# KiCad board noraneko52r.kicad_pcb
date: 2022-12-29
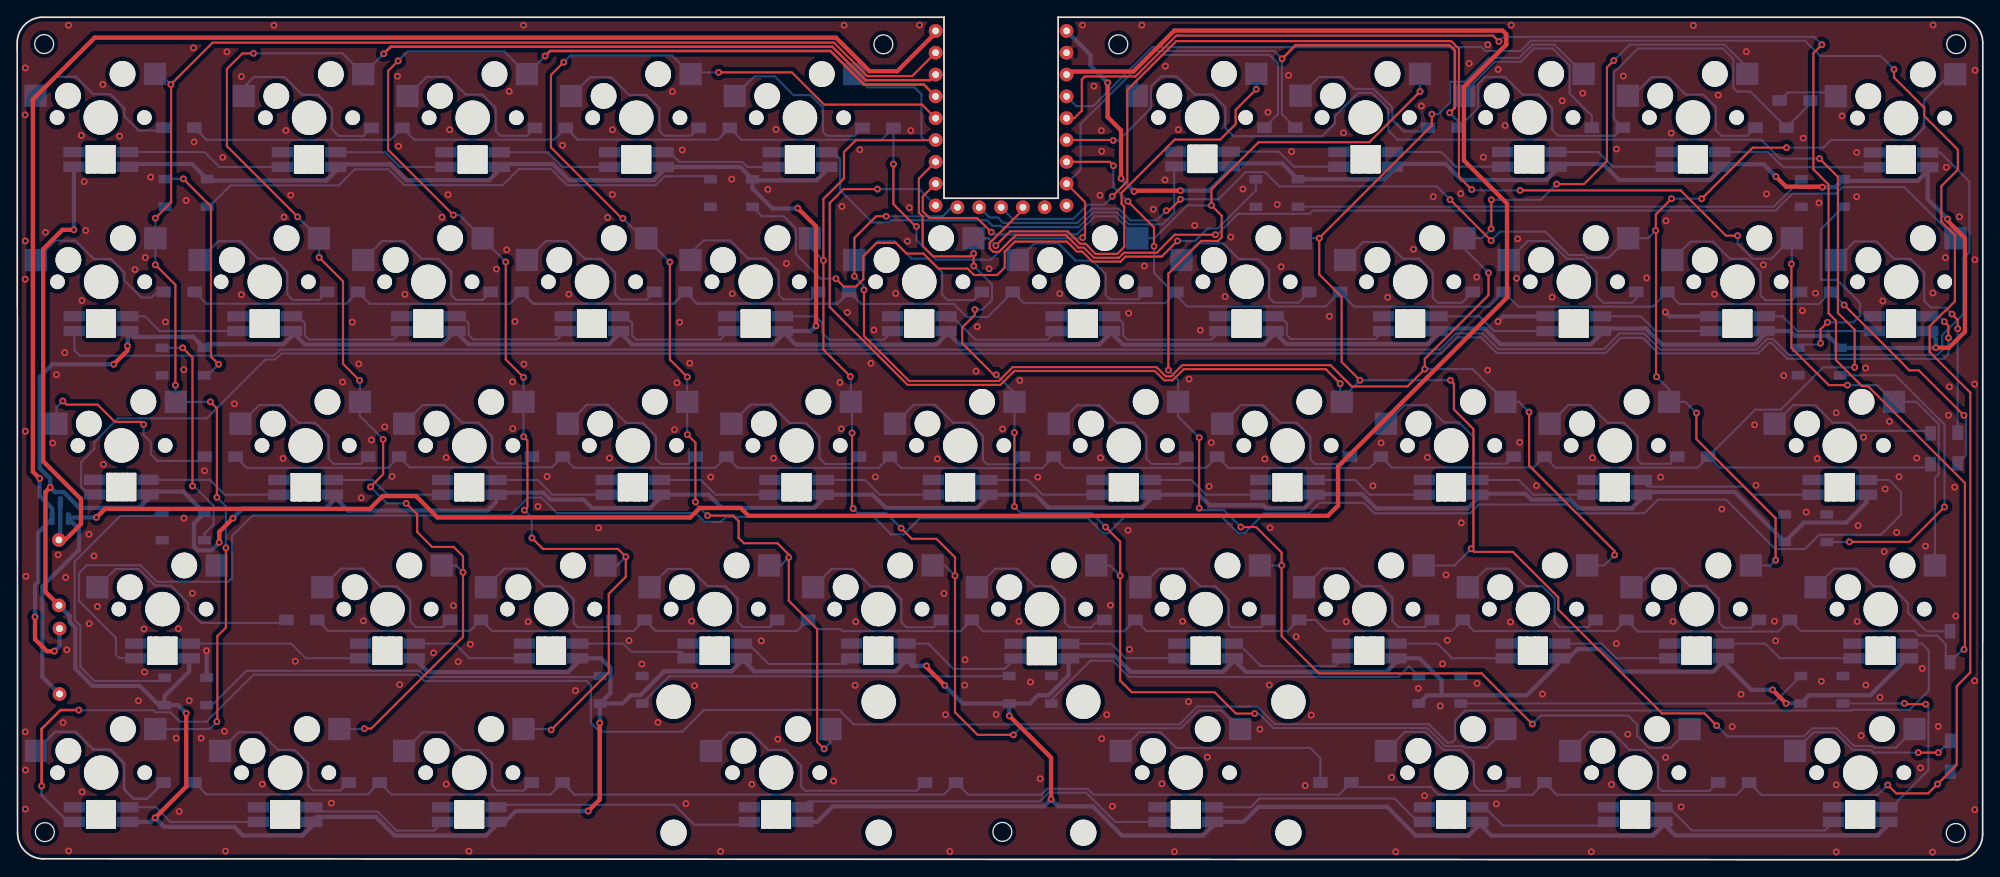
[diagram p0: board, top side]
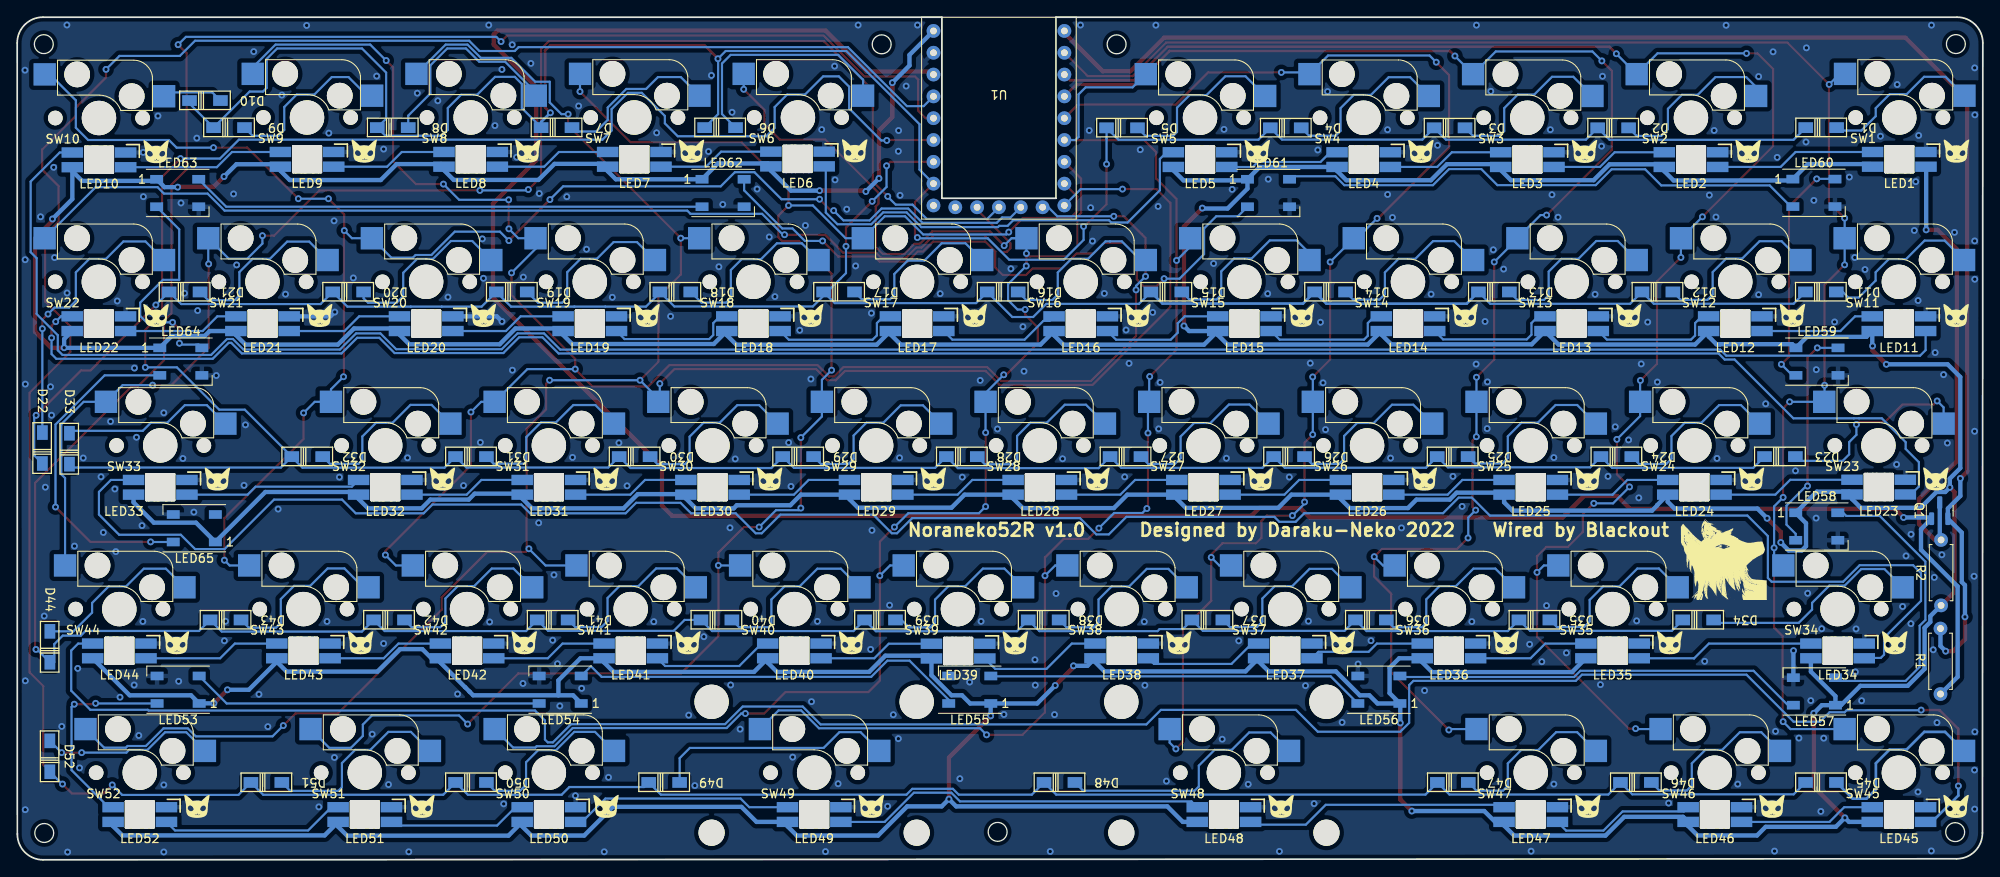
[diagram p1: board, bottom side, seen from below]

Outline 228.83 x 98.1 mm; copper layers: Top, Bottom. Coordinates in mm from the lower left corner of the outline.
Outline path: circle c3.14,94.97 r1.1 ; circle c3.22,3.22 r1.1 ; circle c100.84,94.94 r1.1 ; circle c114.69,3.25 r1.1 ; circle c128.19,94.94 r1.1 ; circle c225.68,3.12 r1.1 ; circle c225.73,94.96 r1.1 ; 0,95.1 0.05,3.12 arc(0.92,1) 3.05,0.12 225.81,0 arc(227.93,0.88) 228.81,3 228.83,95.1 arc(227.95,97.23) 225.83,98.1 121.18,98.1 121.18,77.02 107.9,77.02 107.9,98.1 3,98.1 arc(0.88,97.23) 0,95.1
Stack: Top 0.035mm / dielectric 1.51mm FR4 er 4.5 / Bottom 0.035mm

## Placement (name value [footprint] x y rotation side)
D1  D  [1N4148W]  18.82 85.24 180 bottom
D2  D  [1N4148W]  43.04 85.22 180 bottom
D3  D  [1N4148W]  62.08 85.22 180 bottom
D4  D  [1N4148W]  81.15 85.22 180 bottom
D5  D  [1N4148W]  100.21 85.22 180 bottom
D6  D  [1N4148W]  147 85.25 180 bottom
D7  D  [1N4148W]  166.04 85.25 180 bottom
D8  D  [1N4148W]  185.11 85.25 180 bottom
D9  D  [1N4148W]  204.17 85.25 180 bottom
D10  D  [1N4148W]  206.97 88.4 180 bottom
D11  D  [1N4148W]  18.86 66.11 180 bottom
D12  D  [1N4148W]  37.88 66.11 180 bottom
D13  D  [1N4148W]  56.92 66.11 180 bottom
D14  D  [1N4148W]  75.99 66.11 180 bottom
D15  D  [1N4148W]  95.05 66.11 180 bottom
D16  D  [1N4148W]  114.1 66.11 180 bottom
D17  D  [1N4148W]  133.15 66.11 180 bottom
D18  D  [1N4148W]  152.21 66.11 180 bottom
D19  D  [1N4148W]  171.25 66.11 180 bottom
D20  D  [1N4148W]  190.3 66.11 180 bottom
D21  D  [1N4148W]  209.34 66.11 180 bottom
D22  D  [1N4148W]  225.9 47.94 90 bottom
D23  D  [1N4148W]  23.62 46.94 180 bottom
D24  D  [1N4148W]  42.66 46.94 180 bottom
D25  D  [1N4148W]  61.72 46.94 180 bottom
D26  D  [1N4148W]  80.76 46.94 180 bottom
D27  D  [1N4148W]  99.8 46.94 180 bottom
D28  D  [1N4148W]  118.86 46.94 180 bottom
D29  D  [1N4148W]  137.91 46.94 180 bottom
D30  D  [1N4148W]  156.95 46.94 180 bottom
D31  D  [1N4148W]  176 46.94 180 bottom
D32  D  [1N4148W]  195.06 46.94 180 bottom
D33  D  [1N4148W]  222.74 47.86 90 bottom
D34  D  [1N4148W]  33.14 27.93 180 bottom
D35  D  [1N4148W]  52.2 27.93 180 bottom
D36  D  [1N4148W]  71.24 27.93 180 bottom
D37  D  [1N4148W]  90.27 27.93 180 bottom
D38  D  [1N4148W]  109.33 27.93 180 bottom
D39  D  [1N4148W]  128.38 27.93 180 bottom
D40  D  [1N4148W]  147.43 27.93 180 bottom
D41  D  [1N4148W]  166.49 27.93 180 bottom
D42  D  [1N4148W]  185.54 27.93 180 bottom
D43  D  [1N4148W]  204.57 27.93 180 bottom
D44  D  [1N4148W]  225.02 24.8 90 bottom
D45  D  [1N4148W]  18.84 9.01 180 bottom
D46  D  [1N4148W]  40.39 9.01 180 bottom
D47  D  [1N4148W]  61.7 9.01 180 bottom
D48  D  [1N4148W]  107.49 9.01 180 bottom
D49  D  [1N4148W]  153.51 9.01 180 bottom
D50  D  [1N4148W]  176 9.01 180 bottom
D51  D  [1N4148W]  199.82 9.01 180 bottom
D52  D  [1N4148W]  225.03 12.05 90 bottom
LED1  -  [SK6812MINI-E]  9.73 81.56 0 bottom
LED2  -  [SK6812MINI-E]  33.98 81.54 0 bottom
LED3  -  [SK6812MINI-E]  53.03 81.54 0 bottom
LED4  -  [SK6812MINI-E]  72.08 81.54 0 bottom
LED5  -  [SK6812MINI-E]  91.13 81.54 0 bottom
LED6  -  [SK6812MINI-E]  137.99 81.6 0 bottom
LED7  -  [SK6812MINI-E]  156.99 81.57 0 bottom
LED8  -  [SK6812MINI-E]  176.04 81.57 0 bottom
LED9  -  [SK6812MINI-E]  195.09 81.57 0 bottom
LED10  -  [SK6812MINI-E]  219.31 81.51 0 bottom
LED11  -  [SK6812MINI-E]  9.77 62.43 0 bottom
LED12  -  [SK6812MINI-E]  28.82 62.43 0 bottom
LED13  -  [SK6812MINI-E]  47.87 62.43 0 bottom
LED14  -  [SK6812MINI-E]  66.92 62.43 0 bottom
LED15  -  [SK6812MINI-E]  85.97 62.43 0 bottom
LED16  -  [SK6812MINI-E]  105.02 62.43 0 bottom
LED17  -  [SK6812MINI-E]  124.07 62.43 0 bottom
LED18  -  [SK6812MINI-E]  143.12 62.43 0 bottom
LED19  -  [SK6812MINI-E]  162.17 62.43 0 bottom
LED20  -  [SK6812MINI-E]  181.22 62.43 0 bottom
LED21  -  [SK6812MINI-E]  200.27 62.43 0 bottom
LED22  -  [SK6812MINI-E]  219.32 62.43 0 bottom
LED23  -  [SK6812MINI-E]  12.13 43.4 0 bottom
LED24  -  [SK6812MINI-E]  33.58 43.38 0 bottom
LED25  -  [SK6812MINI-E]  52.63 43.38 0 bottom
LED26  -  [SK6812MINI-E]  71.68 43.38 0 bottom
LED27  -  [SK6812MINI-E]  90.73 43.38 0 bottom
LED28  -  [SK6812MINI-E]  109.78 43.38 0 bottom
LED29  -  [SK6812MINI-E]  128.83 43.38 0 bottom
LED30  -  [SK6812MINI-E]  147.88 43.38 0 bottom
LED31  -  [SK6812MINI-E]  166.93 43.38 0 bottom
LED32  -  [SK6812MINI-E]  185.98 43.38 0 bottom
LED33  -  [SK6812MINI-E]  212.18 43.38 0 bottom
LED34  -  [SK6812MINI-E]  16.91 24.33 0 bottom
LED35  -  [SK6812MINI-E]  43.11 24.33 0 bottom
LED36  -  [SK6812MINI-E]  62.16 24.33 0 bottom
LED37  -  [SK6812MINI-E]  81.21 24.33 0 bottom
LED38  -  [SK6812MINI-E]  100.26 24.33 0 bottom
LED39  -  [SK6812MINI-E]  119.29 24.31 0 bottom
LED40  -  [SK6812MINI-E]  138.36 24.33 0 bottom
LED41  -  [SK6812MINI-E]  157.41 24.33 0 bottom
LED42  -  [SK6812MINI-E]  176.46 24.33 0 bottom
LED43  -  [SK6812MINI-E]  195.51 24.33 0 bottom
LED44  -  [SK6812MINI-E]  216.94 24.33 0 bottom
LED45  -  [SK6812MINI-E]  9.77 5.28 0 bottom
LED46  -  [SK6812MINI-E]  31.2 5.28 0 bottom
LED47  -  [SK6812MINI-E]  52.63 5.28 0 bottom
LED48  -  [SK6812MINI-E]  88.35 5.28 0 bottom
LED49  -  [SK6812MINI-E]  136.05 5.28 0 bottom
LED50  -  [SK6812MINI-E]  166.93 5.28 0 bottom
LED51  -  [SK6812MINI-E]  188.36 5.28 0 bottom
LED52  -  [SK6812MINI-E]  214.56 5.28 0 bottom
LED53  SK6812MINI-E  [LED_WS2812B_PLCC4_5.0x5.0mm_P3.2mm]  210.09 19.8 0 bottom
LED54  SK6812MINI-E  [LED_WS2812B_PLCC4_5.0x5.0mm_P3.2mm]  165.61 19.8 0 bottom
LED55  SK6812MINI-E  [LED_WS2812B_PLCC4_5.0x5.0mm_P3.2mm]  117.93 19.8 0 bottom
LED56  SK6812MINI-E  [LED_WS2812B_PLCC4_5.0x5.0mm_P3.2mm]  70.31 19.8 0 bottom
LED57  SK6812MINI-E  [LED_WS2812B_PLCC4_5.0x5.0mm_P3.2mm]  19.61 19.6 0 bottom
LED58  SK6812MINI-E  [LED_WS2812B_PLCC4_5.0x5.0mm_P3.2mm]  19.33 38.8 180 bottom
LED59  SK6812MINI-E  [LED_WS2812B_PLCC4_5.0x5.0mm_P3.2mm]  19.31 58 180 bottom
LED60  SK6812MINI-E  [LED_WS2812B_PLCC4_5.0x5.0mm_P3.2mm]  19.66 77.65 180 bottom
LED61  SK6812MINI-E  [LED_WS2812B_PLCC4_5.0x5.0mm_P3.2mm]  83.16 77.63 180 bottom
LED62  SK6812MINI-E  [LED_WS2812B_PLCC4_5.0x5.0mm_P3.2mm]  146.65 77.63 180 bottom
LED63  SK6812MINI-E  [LED_WS2812B_PLCC4_5.0x5.0mm_P3.2mm]  210.14 77.63 180 bottom
LED64  SK6812MINI-E  [LED_WS2812B_PLCC4_5.0x5.0mm_P3.2mm]  209.78 58 180 bottom
LED65  SK6812MINI-E  [LED_WS2812B_PLCC4_5.0x5.0mm_P3.2mm]  208.21 38.6 0 bottom
NOREF  -  [blackout]  30.15 35.25 180 bottom
Q1  BSS138  [SOT-23]  5.02 40.65 90 bottom
R1  10K  [R_Axial_DIN0207_L6.3mm_D2.5mm_P7.62mm_Horizontal]  4.93 19.3 90 bottom
R2  10K  [R_Axial_DIN0207_L6.3mm_D2.5mm_P7.62mm_Horizontal]  4.86 29.62 90 bottom
SW1  SW_Push  [MX_Socket]  9.73 86.42 0 top
SW2  SW_Push  [MX_Socket]  33.98 86.39 0 top
SW3  SW_Push  [MX_Socket]  53.03 86.39 0 top
SW4  SW_Push  [MX_Socket]  72.08 86.39 0 top
SW5  SW_Push  [MX_Socket]  91.13 86.39 0 top
SW6  SW_Push  [MX_Socket]  137.94 86.42 0 top
SW7  SW_Push  [MX_Socket]  156.99 86.42 0 top
SW8  SW_Push  [MX_Socket]  176.04 86.42 0 top
SW9  SW_Push  [MX_Socket]  195.09 86.42 0 top
SW10  SW_Push  [MX_Socket]  219.31 86.36 0 top
SW11  SW_Push  [MX_Socket]  9.77 67.29 0 top
SW12  SW_Push  [MX_Socket]  28.82 67.29 0 top
SW13  SW_Push  [MX_Socket]  47.87 67.29 0 top
SW14  SW_Push  [MX_Socket]  66.92 67.29 0 top
SW15  SW_Push  [MX_Socket]  85.97 67.29 0 top
SW16  SW_Push  [MX_Socket]  105.02 67.29 0 top
SW17  SW_Push  [MX_Socket]  124.07 67.29 0 top
SW18  SW_Push  [MX_Socket]  143.12 67.29 0 top
SW19  SW_Push  [MX_Socket]  162.17 67.29 0 top
SW20  SW_Push  [MX_Socket]  181.22 67.29 0 top
SW21  SW_Push  [MX_Socket]  200.27 67.29 0 top
SW22  SW_Push  [MX_Socket]  219.32 67.29 0 top
SW23  SW_Push  [MX_Socket_1.25U]  12.15 48.24 0 top
SW24  SW_Push  [MX_Socket]  33.58 48.24 0 top
SW25  SW_Push  [MX_Socket]  52.63 48.24 0 top
SW26  SW_Push  [MX_Socket]  71.68 48.24 0 top
SW27  SW_Push  [MX_Socket]  90.73 48.24 0 top
SW28  SW_Push  [MX_Socket]  109.78 48.24 0 top
SW29  SW_Push  [MX_Socket]  128.83 48.24 0 top
SW30  SW_Push  [MX_Socket]  147.88 48.24 0 top
SW31  SW_Push  [MX_Socket]  166.93 48.24 0 top
SW32  SW_Push  [MX_Socket]  185.98 48.24 0 top
SW33  SW_Push  [MX_Socket_1.75U]  212.18 48.24 0 top
SW34  SW_Push  [MX_Socket_1.75U]  16.91 29.19 0 top
SW35  SW_Push  [MX_Socket]  43.11 29.19 0 top
SW36  SW_Push  [MX_Socket]  62.16 29.19 0 top
SW37  SW_Push  [MX_Socket]  81.21 29.19 0 top
SW38  SW_Push  [MX_Socket]  100.26 29.19 0 top
SW39  SW_Push  [MX_Socket]  119.31 29.19 0 top
SW40  SW_Push  [MX_Socket]  138.36 29.19 0 top
SW41  SW_Push  [MX_Socket]  157.41 29.19 0 top
SW42  SW_Push  [MX_Socket]  176.46 29.19 0 top
SW43  SW_Push  [MX_Socket]  195.51 29.19 0 top
SW44  SW_Push  [MX_Socket_1.25U]  216.94 29.19 0 top
SW45  SW_Push  [MX_Socket]  9.77 10.14 0 top
SW46  SW_Push  [MX_Socket_1.25U]  31.2 10.14 0 top
SW47  SW_Push  [MX_Socket]  52.63 10.14 0 top
SW48  SW_Push  [MX_Socket_2.75U_Re]  88.35 10.14 0 top
SW49  SW_Push  [MX_Socket_2.25U_Re]  136.05 10.14 0 top
SW50  SW_Push  [MX_Socket]  166.93 10.14 0 top
SW51  SW_Push  [MX_Socket_1.25U]  188.36 10.14 0 top
SW52  SW_Push  [MX_Socket_1.50U]  214.56 10.14 0 top
U1  RP2040-Zero  [RP2040-Zero-THT]  114.54 87.09 180 bottom

## Library data of the parts
D1-D52 = -: LCSC: C81598
LED53-LED65 = -: LCSC: C2843785
Q1 = -: LCSC: C2874697

## Footprints (pads in the part's own frame, mm; a bottom-side part is the same pattern mirrored in y, then rotated)
1N4148W
  rect 1.7x1.25 smd: 1(-1.8,0) 2(1.8,0)
LED_WS2812B_PLCC4_5.0x5.0mm_P3.2mm
  rect 1.5x1 smd: 1(-2.45,1.6) 2(-2.45,-1.6) 3(2.45,-1.6) 4(2.45,1.6)
MX_Socket
  round 1.7 hole 1.7 unplated: (-5.081,-0.001) (5.079,-0.001)
  round 3 hole 3 unplated: (-3.811,2.539) (2.539,5.079)
  round 4 hole 4 unplated: (0,0)
  rect 2.6x2.6 smd far side: 1(6.314,5.079) 2(-7.586,2.539)
MX_Socket_1.25U
  round 1.7 hole 1.7 unplated: (-5.081,-0.001) (5.079,-0.001)
  round 3 hole 3 unplated: (-3.811,2.539) (2.539,5.079)
  round 4 hole 4 unplated: (0,0)
  rect 2.6x2.6 smd far side: 1(6.314,5.079) 2(-7.586,2.539)
MX_Socket_1.50U
  round 1.7 hole 1.7 unplated: (-5.081,-0.001) (5.079,-0.001)
  round 3 hole 3 unplated: (-3.811,2.539) (2.539,5.079)
  round 4 hole 4 unplated: (0,0)
  rect 2.6x2.6 smd far side: 1(6.314,5.079) 2(-7.586,2.539)
MX_Socket_1.75U
  round 1.7 hole 1.7 unplated: (-5.081,-0.001) (5.079,-0.001)
  round 3 hole 3 unplated: (-3.811,2.539) (2.539,5.079)
  round 4 hole 4 unplated: (0,0)
  rect 2.6x2.6 smd far side: 1(6.314,5.079) 2(-7.586,2.539)
MX_Socket_2.25U_Re
  round 3.988 hole 3.988 unplated: (-11.938,8.255) (11.938,8.255)
  round 3.048 hole 3.048 unplated: (-11.938,-6.985) (11.938,-6.985)
  round 1.7 hole 1.7 unplated: (-5.081,-0.001) (5.079,-0.001)
  round 3 hole 3 unplated: (-3.811,2.539) (2.539,5.079)
  round 4 hole 4 unplated: (0,0)
  rect 2.6x2.6 smd far side: 1(6.314,5.079) 2(-7.586,2.539)
MX_Socket_2.75U_Re
  round 3.988 hole 3.988 unplated: (-11.938,8.254) (11.938,8.254)
  round 3.048 hole 3.048 unplated: (-11.938,-6.986) (11.938,-6.986)
  round 1.7 hole 1.7 unplated: (-5.081,-0.001) (5.079,-0.001)
  round 3 hole 3 unplated: (-3.811,2.539) (2.539,5.079)
  round 4 hole 4 unplated: (0,0)
  rect 2.6x2.6 smd far side: 1(6.314,5.079) 2(-7.586,2.539)
R_Axial_DIN0207_L6.3mm_D2.5mm_P7.62mm_Horizontal
  round 1.6 hole 0.8: 1(0,0)
  oval 1.6x1.6 hole 0.8: 2(7.62,0)
RP2040-Zero-THT
  round 1.6 hole 0.8: 0(7.62,9.41) 1(7.62,6.87) 2(7.62,4.33) 3(7.62,1.79) 4(7.62,-0.75) 5(7.62,-3.29) 6(7.62,-5.83) 7(7.62,-8.37) 8(7.62,-10.91) 9(5.08,-11.12) 10(2.54,-11.12) 11(0,-11.12) 12(-2.54,-11.12) 13(-5.08,-11.12) 14(-7.62,-10.91) 15(-7.62,-8.37) 26(-7.62,-5.83) 27(-7.62,-3.29) 28(-7.62,-0.75) 29(-7.62,1.79) 30(-7.62,4.33) 31(-7.62,6.87) 32(-7.62,9.41)
SK6812MINI-E
  oval 0.3x3.3 hole 0.3x3.3 unplated: (-1.61,0) (1.59,0)
  oval 0.5x3.3 hole 0.5x3.3 unplated: (-1.335,0) (1.315,0)
  oval 1.5x3.3 hole 1.5x3.3 unplated: (-0.71,0) (0.24,0) (0.665,0)
  oval 3.5x0.3 hole 3.5x0.3 unplated: (-0.01,-1.5) (-0.01,1.5)
  rect 2.5x1.2 smd: 1(3.1,0.87) 2(3.1,-0.843) 3(-3.11,-0.843) 4(-3.11,0.87)
SOT-23
  rrect 1.475x0.6 smd: 1(-0.938,0.95) 2(-0.938,-0.95) 3(0.938,0)

## Nets
+3.3V: Q1.1 R1.1 U1.30
+5V: LED1.1 LED2.1 LED3.1 LED4.1 LED5.1 LED6.1 LED7.1 LED8.1 LED9.1 LED10.1 LED11.1 LED12.1 LED13.1 LED14.1 LED15.1 LED16.1 LED17.1 LED18.1 LED19.1 LED20.1 LED21.1 LED22.1 LED23.1 LED24.1 LED25.1 LED26.1 LED27.1 LED28.1 LED29.1 LED30.1 LED31.1 LED32.1 LED33.1 LED34.1 LED35.1 LED36.1 LED37.1 LED38.1 LED39.1 LED40.1 LED41.1 LED42.1 LED43.1 LED44.1 LED45.1 LED46.1 LED47.1 LED48.1 LED49.1 LED50.1 LED51.1 LED52.1 LED53.1 LED54.1 LED55.1 LED56.1 LED57.1 LED58.1 LED59.1 LED60.1 LED61.1 LED62.1 LED63.1 LED64.1 LED65.1 R2.1 U1.32
GND: LED1.3 LED2.3 LED3.3 LED4.3 LED5.3 LED6.3 LED7.3 LED8.3 LED9.3 LED10.3 LED11.3 LED12.3 LED13.3 LED14.3 LED15.3 LED16.3 LED17.3 LED18.3 LED19.3 LED20.3 LED21.3 LED22.3 LED23.3 LED24.3 LED25.3 LED26.3 LED27.3 LED28.3 LED29.3 LED30.3 LED31.3 LED32.3 LED33.3 LED34.3 LED35.3 LED36.3 LED37.3 LED38.3 LED39.3 LED40.3 LED41.3 LED42.3 LED43.3 LED44.3 LED45.3 LED46.3 LED47.3 LED48.3 LED49.3 LED50.3 LED51.3 LED52.3 LED53.3 LED54.3 LED55.3 LED56.3 LED57.3 LED58.3 LED59.3 LED60.3 LED61.3 LED62.3 LED63.3 LED64.3 LED65.3 U1.31
COL0: SW1.1 SW11.1 SW23.1 SW34.1 SW45.1 U1.1
COL1: SW2.1 SW12.1 SW24.1 SW35.1 SW46.1 U1.2
COL2: SW3.1 SW13.1 SW25.1 SW36.1 SW47.1 U1.3
COL3: SW4.1 SW14.1 SW26.1 SW37.1 SW48.1 U1.4
COL4: SW5.1 SW15.1 SW27.1 SW38.1 SW49.1 U1.5
COL5: SW6.1 SW16.1 SW28.1 SW39.1 SW50.1 U1.6
COL6: SW7.1 SW17.1 SW29.1 SW40.1 SW51.1 U1.7
COL7: SW8.1 SW18.1 SW30.1 SW41.1 SW52.1 U1.8
COL8: SW9.1 SW19.1 SW31.1 SW42.1 U1.9
COL9: SW10.1 SW20.1 SW32.1 SW43.1 U1.10
COL10: SW21.1 SW33.1 SW44.1 U1.11
COL11: SW22.1 U1.12
LED3.3V: Q1.2 R1.2 U1.0
LED5V: LED1.4 Q1.3 R2.2
ROW0: D1.1 D2.1 D3.1 D4.1 D5.1 D6.1 D7.1 D8.1 D9.1 D10.1 U1.15
ROW1: D11.1 D12.1 D13.1 D14.1 D15.1 D16.1 D17.1 D18.1 D19.1 D20.1 D21.1 D22.1 U1.26
ROW2: D23.1 D24.1 D25.1 D26.1 D27.1 D28.1 D29.1 D30.1 D31.1 D32.1 D33.1 U1.27
ROW3: D34.1 D35.1 D36.1 D37.1 D38.1 D39.1 D40.1 D41.1 D42.1 D43.1 D44.1 U1.28
ROW4: D45.1 D46.1 D47.1 D48.1 D49.1 D50.1 D51.1 D52.1 U1.29
Net-(D1-Pad2): D1.2 SW1.2
Net-(D2-Pad2): D2.2 SW2.2
Net-(D3-Pad2): D3.2 SW3.2
Net-(D4-Pad2): D4.2 SW4.2
Net-(D5-Pad2): D5.2 SW5.2
Net-(D6-Pad2): D6.2 SW6.2
Net-(D7-Pad2): D7.2 SW7.2
Net-(D8-Pad2): D8.2 SW8.2
Net-(D9-Pad2): D9.2 SW9.2
Net-(D10-Pad2): D10.2 SW10.2
Net-(D11-Pad2): D11.2 SW11.2
Net-(D12-Pad2): D12.2 SW12.2
Net-(D13-Pad2): D13.2 SW13.2
Net-(D14-Pad2): D14.2 SW14.2
Net-(D15-Pad2): D15.2 SW15.2
Net-(D16-Pad2): D16.2 SW16.2
Net-(D17-Pad2): D17.2 SW17.2
Net-(D18-Pad2): D18.2 SW18.2
Net-(D19-Pad2): D19.2 SW19.2
Net-(D20-Pad2): D20.2 SW20.2
Net-(D21-Pad2): D21.2 SW21.2
Net-(D22-Pad2): D22.2 SW22.2
Net-(D23-Pad2): D23.2 SW23.2
Net-(D24-Pad2): D24.2 SW24.2
Net-(D25-Pad2): D25.2 SW25.2
Net-(D26-Pad2): D26.2 SW26.2
Net-(D27-Pad2): D27.2 SW27.2
Net-(D28-Pad2): D28.2 SW28.2
Net-(D29-Pad2): D29.2 SW29.2
Net-(D30-Pad2): D30.2 SW30.2
Net-(D31-Pad2): D31.2 SW31.2
Net-(D32-Pad2): D32.2 SW32.2
Net-(D33-Pad2): D33.2 SW33.2
Net-(D34-Pad2): D34.2 SW34.2
Net-(D35-Pad2): D35.2 SW35.2
Net-(D36-Pad2): D36.2 SW36.2
Net-(D37-Pad2): D37.2 SW37.2
Net-(D38-Pad2): D38.2 SW38.2
Net-(D39-Pad2): D39.2 SW39.2
Net-(D40-Pad2): D40.2 SW40.2
Net-(D41-Pad2): D41.2 SW41.2
Net-(D42-Pad2): D42.2 SW42.2
Net-(D43-Pad2): D43.2 SW43.2
Net-(D44-Pad2): D44.2 SW44.2
Net-(D45-Pad2): D45.2 SW45.2
Net-(D46-Pad2): D46.2 SW46.2
Net-(D47-Pad2): D47.2 SW47.2
Net-(D48-Pad2): D48.2 SW48.2
Net-(D49-Pad2): D49.2 SW49.2
Net-(D50-Pad2): D50.2 SW50.2
Net-(D51-Pad2): D51.2 SW51.2
Net-(D52-Pad2): D52.2 SW52.2
Net-(LED1-Pad2): LED1.2 LED2.4
Net-(LED2-Pad2): LED2.2 LED3.4
Net-(LED3-Pad2): LED3.2 LED4.4
Net-(LED4-Pad2): LED4.2 LED5.4
Net-(LED5-Pad2): LED5.2 LED6.4
Net-(LED6-Pad2): LED6.2 LED7.4
Net-(LED7-Pad2): LED7.2 LED8.4
Net-(LED8-Pad2): LED8.2 LED9.4
Net-(LED10-Pad2): LED10.2 LED11.4
Net-(LED10-Pad4): LED9.2 LED10.4
Net-(LED11-Pad2): LED11.2 LED12.4
Net-(LED12-Pad2): LED12.2 LED13.4
Net-(LED13-Pad2): LED13.2 LED14.4
Net-(LED14-Pad2): LED14.2 LED15.4
Net-(LED15-Pad2): LED15.2 LED16.4
Net-(LED16-Pad2): LED16.2 LED17.4
Net-(LED17-Pad2): LED17.2 LED18.4
Net-(LED18-Pad2): LED18.2 LED19.4
Net-(LED19-Pad2): LED19.2 LED20.4
Net-(LED20-Pad2): LED20.2 LED21.4
Net-(LED21-Pad2): LED21.2 LED22.4
Net-(LED22-Pad2): LED22.2 LED23.4
Net-(LED23-Pad2): LED23.2 LED24.4
Net-(LED24-Pad2): LED24.2 LED25.4
Net-(LED25-Pad2): LED25.2 LED26.4
Net-(LED26-Pad2): LED26.2 LED27.4
Net-(LED27-Pad2): LED27.2 LED28.4
Net-(LED28-Pad2): LED28.2 LED29.4
Net-(LED29-Pad2): LED29.2 LED30.4
Net-(LED30-Pad2): LED30.2 LED31.4
Net-(LED31-Pad2): LED31.2 LED32.4
Net-(LED32-Pad2): LED32.2 LED33.4
Net-(LED33-Pad2): LED33.2 LED34.4
Net-(LED34-Pad2): LED34.2 LED35.4
Net-(LED35-Pad2): LED35.2 LED36.4
Net-(LED36-Pad2): LED36.2 LED37.4
Net-(LED37-Pad2): LED37.2 LED38.4
Net-(LED38-Pad2): LED38.2 LED39.4
Net-(LED39-Pad2): LED39.2 LED40.4
Net-(LED40-Pad2): LED40.2 LED41.4
Net-(LED41-Pad2): LED41.2 LED42.4
Net-(LED42-Pad2): LED42.2 LED43.4
Net-(LED43-Pad2): LED43.2 LED44.4
Net-(LED44-Pad2): LED44.2 LED45.4
Net-(LED45-Pad2): LED45.2 LED46.4
Net-(LED46-Pad2): LED46.2 LED47.4
Net-(LED47-Pad2): LED47.2 LED48.4
Net-(LED48-Pad2): LED48.2 LED49.4
Net-(LED49-Pad2): LED49.2 LED50.4
Net-(LED50-Pad2): LED50.2 LED51.4
Net-(LED51-Pad2): LED51.2 LED52.4
Net-(LED52-Pad2): LED52.2 LED53.4
Net-(LED53-Pad2): LED53.2 LED54.4
Net-(LED54-Pad2): LED54.2 LED55.4
Net-(LED55-Pad2): LED55.2 LED56.4
Net-(LED56-Pad2): LED56.2 LED57.4
Net-(LED57-Pad2): LED57.2 LED58.4
Net-(LED58-Pad2): LED58.2 LED59.4
Net-(LED59-Pad2): LED59.2 LED60.4
Net-(LED60-Pad2): LED60.2 LED61.4
Net-(LED61-Pad2): LED61.2 LED62.4
Net-(LED62-Pad2): LED62.2 LED63.4
Net-(LED63-Pad2): LED63.2 LED64.4
Net-(LED64-Pad2): LED64.2 LED65.4

Pads without a net: LED65 2; U1 13 14

## Via types
v1: diameter 0.8, hole 0.4, Top to Bottom, 496 vias

## Routing (per net, layer and track width the routed paths; a pad name or vN(x,y) marks a point on that pad's centre or on a via; arc(x,y) is an arc through that point)
+3.3V: length 295.4
  Top w0.5: U1.30 122.51,91.77 129.94,91.77 134.71,96.54 172.91,96.54 173.35,96.1 173.35,94.91 168.42,89.98 168.42,81.42 173.44,76.4 173.44,65.47 153.77,45.79 153.77,41.23 152.58,40.05 85.15,40.05 84.24,40.96 79.46,40.96 78.35,39.86 48.92,39.86 46.43,42.35 42.55,42.35 41.05,40.85 10.22,40.85 v1(9.23,39.86)
  Bottom w0.5: R1.1 2.93,21.3 2.93,31.83 7.2,36.1 7.2,38.49 Q1.1 6.11,39.86 v1(9.23,39.86)
+5V: length 1252
  Top w0.5: v1(90.86,75.88) 93,73.74 v1(93,62.16) ; v1(11.23,57.69) 12.84,59.29 v1(12.84,59.82) ; v1(135.42,77.91) 130.13,77.91 v1(130.03,77.81) ; v1(210.14,78.32) 210.09,78.37 205.93,78.37 v1(204.75,79.54) ; v1(67.82,15.93) 67.82,7.02 v1(66.47,5.68) ; v1(23.52,36.95) 23.52,38.18 v1(25.11,39.77) ; v1(120.36,7.06) 120.36,11.9 v1(115.5,16.76) ; v1(16.06,4.89) 19.68,8.51 v1(19.68,17.06) ; R2.1 3.29,31.19 3.29,42.81 v1(3.84,43.36) ; v1(223.36,59.62) 224.88,59.62 226.75,61.49 226.75,72.37 224.72,74.4 v1(224.72,74.61) ; v1(128.51,79.33) 128.51,84.92 126.95,86.48 v1(126.95,90.47) ; v1(105.86,22.58) 105.86,22.43 v1(107.98,20.3) ; v1(204.35,19.79) v1(205.93,18.22)
  Bottom w0.5: v1(135.42,77.91) 138.75,77.91 141.09,80.24 LED6.1 141.43,81.07 147.26,81.07 LED62.1 159.14,79.23 160.09,80.18 LED7.1 160.42,81.02 166.28,81.02 168.15,79.15 178.01,79.15 179.14,80.28 LED8.1 179.45,81 184.64,81 186.5,79.14 197.1,79.14 198.19,80.23 LED9.1 198.48,80.98 203.31,80.98 v1(204.75,79.54) ; v1(11.23,57.69) 4.1,57.69 2.62,56.22 2.62,45.6 3.84,44.39 v1(3.84,43.36) 4.38,42.82 5.4,42.82 7.25,40.98 14.2,40.98 15.23,42 LED23.1 15.56,42.86 19.32,42.86 LED58.1 21.78,40.39 20.58,39.19 20.58,36.51 21.07,36.02 22.6,36.02 23.52,36.94 v1(23.52,36.95) ; LED5.1 94.23,80.27 93.06,79.1 85.74,79.1 LED61.1 ; v1(205.93,18.22) 207.63,18.22 LED53.1 208.59,19.15 215.73,19.15 LED44.1 ; v1(105.86,22.58) 104.24,22.58 LED38.1 103.36,23.04 102.25,21.94 85.83,21.94 LED37.1 84.31,23.1 83.14,21.94 75.31,21.94 72.53,19.15 71.42,19.15 70.47,18.2 LED56.1 69.06,19.4 69.06,22.35 67.95,23.46 LED36.1 65.26,23 64.11,21.86 47.81,21.86 LED35.1 ; v1(115.5,16.76) 115.5,18.19 LED55.1 ; LED15.1 89.07,61.13 87.94,59.99 71.59,59.99 LED14.1 70.02,61.17 68.87,60.01 52.52,60.01 LED13.1 49.4,59.99 33.49,59.99 LED12.1 31.92,60.94 31,60.01 30.6,60.01 30.58,60.03 22.19,60.03 LED59.1 20.48,60.88 13.55,60.88 LED11.1 12.87,59.86 v1(12.84,59.82) ; LED15.1 92.4,61.56 v1(93,62.16) ; LED15.1 90.66,59.97 107.03,59.97 108.12,61.07 LED16.1 109.7,59.98 125.97,59.98 127.17,61.19 LED17.1 128.76,59.97 145.11,59.97 146.22,61.09 LED18.1 147.73,60.05 164.22,60.05 165.27,61.11 LED19.1 165.57,61.86 170.81,61.86 172.65,60.02 183.19,60.02 184.32,61.16 LED20.1 184.62,61.86 189.61,61.86 191.49,59.98 202.25,59.98 203.37,61.11 LED21.1 206.42,61.56 207,60.99 210.84,60.99 LED64.1 223.35,59.6 v1(223.36,59.62) 223.36,60.63 222.43,61.56 LED22.1 ; v1(67.82,15.93) 67.82,18.16 ; LED54.1 164.11,19.15 165.82,19.15 ; v1(204.35,19.79) 201.86,19.79 198.61,23.05 LED43.1 198.61,23.06 197.46,21.91 186.89,21.91 184.27,24.53 181.67,24.53 180.59,23.46 LED42.1 179.56,22.96 176.68,20.08 176.67,20.08 176.17,19.59 176.17,19.57 175.75,19.15 165.82,19.15 ; LED61.1 84.17,80.67 LED4.1 75.18,80.2 74.09,79.12 64.25,79.12 62.38,80.99 56.46,80.99 LED3.1 56.13,80.31 54.94,79.12 45.3,79.12 43.45,80.97 37.39,80.97 LED2.1 37.08,80.17 36,79.09 22.27,79.09 LED60.1 20.36,81 13.14,81 LED1.1 ; LED61.1 85.61,78.14 87.92,75.83 90.81,75.83 v1(90.86,75.88) ; LED52.1 217.66,3.91 216.59,2.84 193.03,2.84 LED51.1 191.46,3.86 190.42,2.81 171.63,2.81 LED50.1 170.03,3.89 168.97,2.82 162.82,2.82 159.48,6.16 144.51,6.16 142.76,4.41 LED49.1 139.15,3.91 138.07,2.82 128.61,2.82 125.21,6.22 121.2,6.22 v1(120.36,7.06) 119.52,6.22 94.94,6.22 93.13,4.41 LED48.1 ; v1(210.14,78.32) 211.67,78.32 LED63.1 212.78,79.04 221.27,79.04 222.41,80.18 LED10.1 222.41,76.92 v1(224.72,74.61) ; v1(66.47,5.68) 58.04,5.68 56.77,4.41 LED47.1 55.73,3.99 54.57,2.82 43.93,2.82 41.75,5 34.89,5 LED46.1 34.3,3.94 33.2,2.83 26.29,2.83 25.28,3.84 17.11,3.84 v1(16.06,4.89) 15.58,4.41 LED45.1 ; 165.82,19.15 165.82,20.89 163.25,23.46 LED41.1 160.51,22.98 159.4,21.87 143.05,21.87 LED40.1 141.46,22.96 140.37,21.87 129.65,21.87 127.76,23.76 122.71,23.76 LED39.1 122.39,21.49 120.06,19.15 118.84,19.15 117.89,18.2 LED55.1 ; v1(19.68,17.06) 18.74,18 LED57.1 ; LED34.1 20.01,21.91 17.16,19.05 LED57.1 ; U1.32 124.95,93.71 124.95,92.47 v1(126.95,90.47) ; LED33.1 215.28,41.61 212.92,39.25 208.01,39.25 LED65.1 199.94,42.82 189.39,42.82 LED32.1 189.08,42.02 187.98,40.92 181.74,40.92 180.72,41.94 176.26,41.94 175.57,42.63 170.15,42.63 LED31.1 170.03,42.07 168.88,40.92 158.23,40.92 156.57,42.58 151.05,42.58 LED30.1 150.98,42.07 149.83,40.92 145.42,40.92 145.05,41.28 138.82,41.28 137.59,42.51 LED29.1 131.93,41.98 130.95,40.99 120.06,40.99 118.54,42.51 LED28.1 112.88,42.07 111.77,40.95 101.15,40.95 99.59,42.51 LED27.1 93.83,42.03 92.78,40.97 82.03,40.97 80.49,42.51 LED26.1 74.78,42.04 73.7,40.95 66.92,40.95 65.93,41.94 62.06,41.94 61.26,42.74 55.96,42.74 LED25.1 55.73,41.63 54.76,40.65 38.51,40.65 37.91,41.25 37.91,41.28 LED24.1 36.68,41.69 35.89,40.89 26.24,40.89 v1(25.11,39.77) ; LED55.1 110.08,18.2 v1(107.98,20.3) ; LED57.1 16.51,18 14.26,20.25 8.75,20.25 6.78,22.22 6.78,27.02 6.11,27.68 6.11,28.37 R2.1 ; v1(128.51,79.33) v1(130.03,77.81)